# Altium PCB 控制板.PcbDoc (part 7 of 12)
Units mil, origin at the board's own origin, x right, y up, seen from the top; angles counter-clockwise.
Board outline 8150.4 x 2246.9 mil, 6 copper layers (TopLayer, MidLayer1, MidLayer2, MidLayer3, MidLayer4, BottomLayer); 1570 components, 853 nets, 4888 pads, 1859 vias.
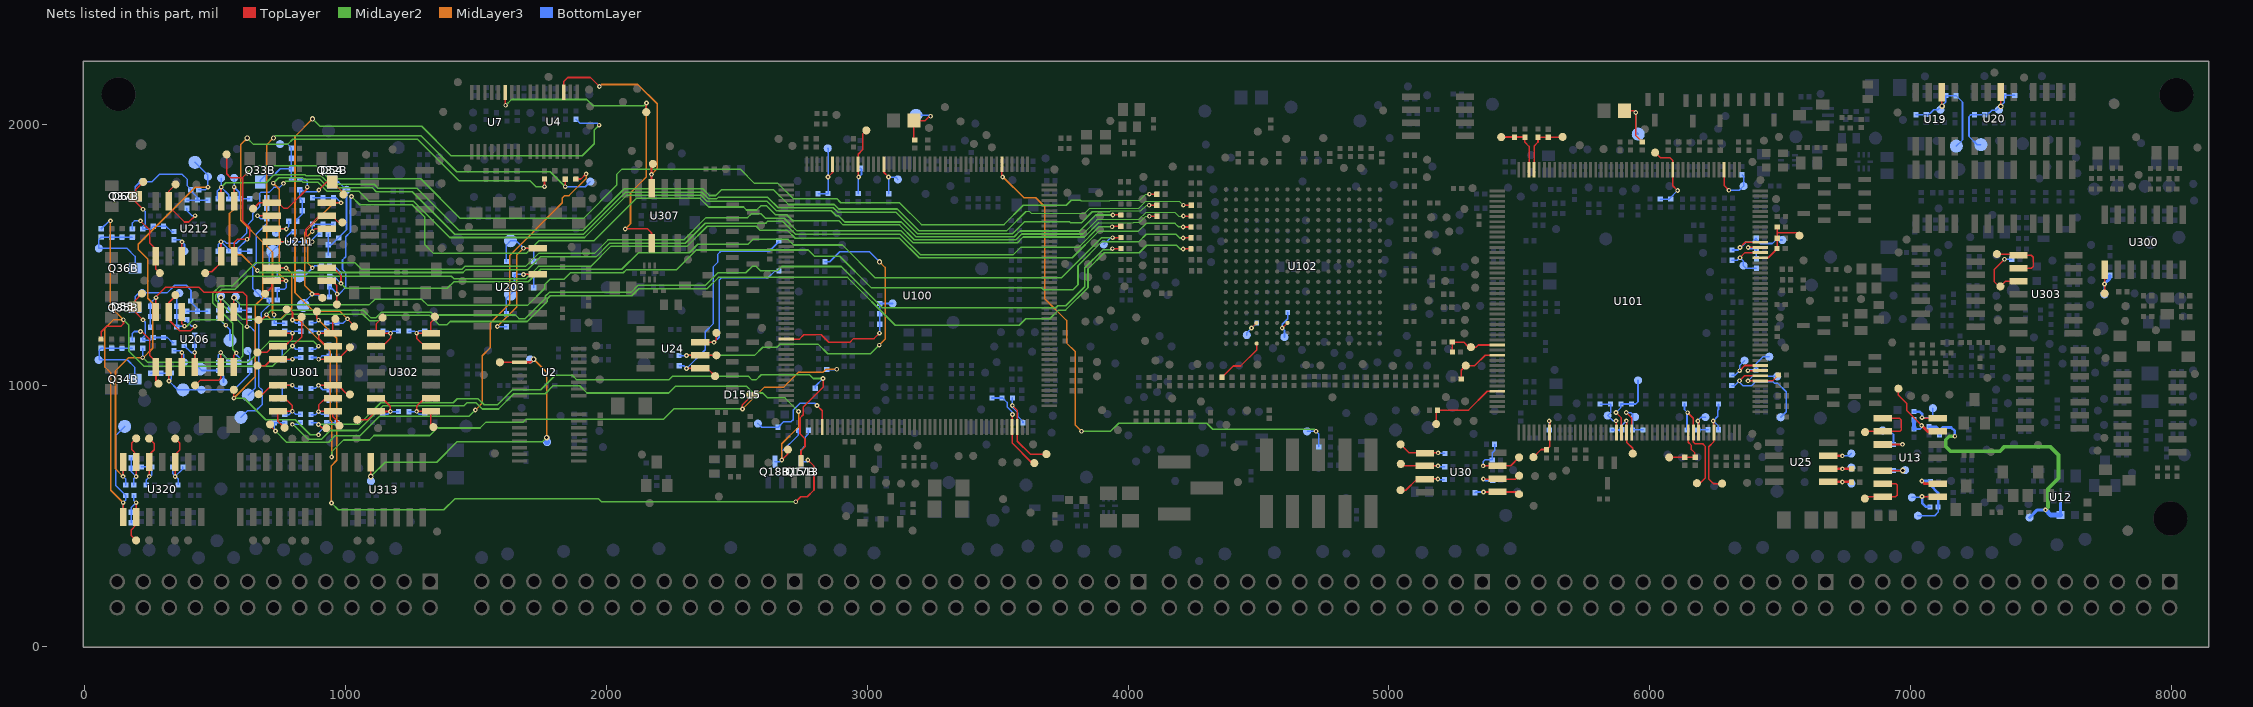
[diagram p11: the nets of this part, all layers, seen from the top]

## Via types
v1: diameter 18, hole 8, TopLayer to BottomLayer, tented both sides, 1737 vias
v2: diameter 20, hole 12, TopLayer to BottomLayer, tented both sides, 71 vias
v3: diameter 22, hole 12, TopLayer to BottomLayer, tented both sides, 51 vias

## Nets (pads, with @x,y where several pads share a name; then routed paths per layer and width w, separated by ;. In a path a pad name is that pad's centre, name@x,y a point inside that pad or via, vN(x,y) a via of type N, cw(c..) or ccw(c..) an arc to the next point about the centre after c; other vN are vias at no path point) (continued)
NetR710_1: C441.1 pad.23@196.9,406.3 R710.1 R711.1 U320.2 | length 275.4
  TopLayer w6: pad.23@196.9,406.3 179,424.2 179,447.5 196.9,465.4 v1(196.9,550.9)
  BottomLayer w6: R710.1@177.8,473.8 177.8,531.8 v1(196.9,550.9) 188.6,559.2 R711.1@188.6,578.4
NetR711_2: C441.2 pad.48@831.9,1263 R200.2 R711.2 R728.2 R804.2 TP1507.1 U320.1 | length 2766.4
  TopLayer w6: R200.2@62.8,1177.9 62.8,1206.7 83.6,1227.5 138.6,1227.5 148.6,1237.5 v1@148.6,1252.5 ; U320.1@146.9,496.3 146.9,550.4 v1(147.4,550.9) ; v1(796.5,1151.3) 796.9,1151.3 831.9,1186.3 pad.48@831.9,1263
  MidLayer2 w6: v1(148.2,1252.1) 168.6,1231.7 168.6,1132.5 227.7,1073.4 718.6,1073.4 v1(796.5,1151.3)
  MidLayer3 w6: v1(98.6,1631.3) 98.6,1301.7 v1(148.2,1252.1) 110.3,1252.1 77.4,1219.2 77.4,1070.8 99.4,1048.8 99.4,598.9 v1(147.4,550.9)
  BottomLayer w6: R804.2@63.6,1600.8 94.1,1631.3 v1(98.6,1631.3) ; C441.2@147,513.8 147,551.2 157.4,561.6 157.4,578.3 118.6,617.1 118.6,808.8 TP1507.1@153.2,843.4 ; v1(796.5,1151.3) 809.1,1138.7 R728.2@827.8,1138.7
NetR712_2: C445.1 pad.3@472.4,1800.9 R712.2 R727.2 R774.1 R794.1 TP1510.1 U320.14 | length 2446.6
  TopLayer w6: v1(146.9,651.7) U320.14@146.9,707.1
  MidLayer2 w6: v1(222.4,1107.1) 240.3,1089.2 628.2,1089.2 708.2,1169.2 878.2,1169.2 v1(896.5,1150.9)
  MidLayer3 w6: v1(146.9,651.7) 117.8,680.8 117.8,1056.3 168.6,1107.1 224.8,1107.1 260.7,1143 260.7,1315.4 241.9,1334.2 241.9,1485.1 205.3,1521.7 205.3,1541.7 424.1,1760.5 v1(472.8,1760.5)
  BottomLayer w6: C445.1@146.9,683 v1(146.9,651.7) 157,641.6 R712.2@157,618.4 ; v1(222.4,1107.1) R774.1@222.4,1143 ; TP1510.1@422.4,1855.9 472.4,1805.9 472.4,1760.1 463.2,1750.9 R794.1@437.4,1750.9 ; R727.2@867.8,1138.7 884.3,1138.7 v1(896.5,1150.9)
NetR714_2: C439.2 pad.18@346.9,796.7 R713.2 R714.2 U320.10 | length 287
  TopLayer w6: v1(346.5,651.3) 346.5,735 364.9,753.4 364.9,778.7 pad.18@346.9,796.7
  BottomLayer w6: R714.2@336.9,688 336.9,663.4 357.7,642.6 C439.2@357.7,618.8 ; v1(346.5,651.3) 376.5,681.3 R713.2@376.5,687.6
NetR715_2: C443.2 pad.17@246.9,796.7 R715.2 R716.2 U320.12 | length 278.9
  TopLayer w6: pad.17@246.9,796.7 266.1,777.5 266.1,754.2 247.4,735.5 v1(247.4,651.7)
  BottomLayer w6: R716.2@216.9,688 R715.2@256.9,688 256.9,658.3 236.2,637.6 C443.2@236.2,618.4
NetR717_2: C445.2 pad.16@197.4,797.5 R712.1 R717.2 U320.13 | length 276.2
  TopLayer w6: v1(196.9,651.3) 196.9,737.6 180.7,753.8 180.7,780.8 pad.16@197.4,797.5
  BottomLayer w6: R717.2@178.1,723.4 178.1,670.1 v1(196.9,651.3) 188.2,642.6 R712.1@188.2,618.4
NetR719_2: C425.1 pad.15@571.5,983.8 R180.2 R719.2 | length 2859.4
  TopLayer w6: v1(571.5,951.7) pad.15@571.5,983.8 ; v1(1762.8,1762.5) R180.2@1762.8,1791.8
  MidLayer2 w6: v1(571.5,951.7) 611.1,951.7 694.4,868.4 806.9,868.4 864.4,810.9 v1(896.1,810.9) ; v2(622.8,1948.4) 645.3,1925.9 779,1925.9 797.3,1944.2 1276.2,1944.2 1435.8,1784.6 1707.8,1784.6 1729.9,1762.5 v1(1762.8,1762.5)
  MidLayer3 w6: v1(571.5,951.7) 654,1034.2 654,1307.5 683.2,1336.7 683.2,1548.3 598.2,1633.3 598.2,1923.8 v2(622.8,1948.4)
  BottomLayer w6: v1(896.1,810.9) 896.1,817.6 936,857.5 C425.1@967.4,857.5
NetR720_2: D1513.3 pad.36@926.1,836.3 R552.2 R720.2 | length 2548.7
  TopLayer w6: v1(896.5,850.9) 911.1,836.3 pad.36@926.1,836.3 ; D1513.3@2746.15,709.5 2746.15,749.65 2761.5,765 2761.5,796.1 2742.4,815.2 2742.4,875.7 2754.6,887.9 2754.6,917.3 2830.7,993.4 v1(2830.7,1026.9)
  MidLayer2 w6: v1(896.5,850.9) 1051.5,850.9 1134.8,934.2 1412.8,934.2 1427.8,949.2 1508.2,949.2 1531.5,925.9 1582.4,925.9 1639.9,983.4 1748.6,983.4 1804.4,1039.2 1869,1039.2 1885.2,1023 2241.1,1023 2254.4,1036.3 2544,1036.3 2558.6,1021.7 2574,1021.7 2594,1041.7 2778.4,1041.7 2793.2,1026.9 v1(2830.7,1026.9)
  BottomLayer w6: R720.2@867.8,857.6 889.8,857.6 v1(896.5,850.9) ; R552.2@2801.1,990 2801.1,997.3 v1(2830.7,1026.9)
NetR721_2: pad.92@2696.1,754.6 Q18B.3 R549.1 R721.2 | length 2596.3
  TopLayer w6: v1(2672.4,714.6) 2696.1,738.3 pad.92@2696.1,754.6
  MidLayer2 w6: v1(796.1,851.3) 798.6,851.3 855.3,794.6 908.6,794.6 941.5,827.5 1048.6,827.5 1143.2,922.1 1454,922.1 1466.5,934.6 1499.1,934.6 1523.7,910 1586.5,910 1645.3,968.8 1765.2,968.8 1795.2,998.8 1897.7,998.8 1925.2,971.3 2239,971.3 2264.8,997.1 2537.4,997.1 2563.2,971.3 2599.9,971.3 2618.7,952.5 2684.9,952.5 v1(2736.9,900.5)
  MidLayer3 w6: v1(2672.4,714.6) 2672.4,776.7 2736.9,841.2 v1(2736.9,900.5)
  BottomLayer w6: v1(796.1,851.3) 820.3,851.3 R721.2@827.4,858.4 ; Q18B.3@2646.05,708.2 2666,708.2 v1(2672.4,714.6) 2672.4,746.7 2736.1,810.4 R549.1@2736.1,827.5
NetR722_2: C450.1 pad.32@710.7,851.3 R177.2 R722.2 | length 2081.3
  TopLayer w6: pad.32@710.7,851.3 710.7,846.3 v1(731.1,825.9) ; R177.2@1882.8,1791.8 1902.5,1791.8 v1(1922.4,1811.7)
  MidLayer2 w6: v1(731.1,825.9) 774,783 935.7,783 960.7,808 1056.2,808 1131.2,883 1474.5,883 v1(1497.4,905.9)
  MidLayer3 w6: v1@1497.8,906.3 1524.4,932.9 1524.4,1114.6 1555.3,1145.5 1555.3,1240.5 1630.3,1315.5 1630.3,1500 1830.7,1700.4 1830.7,1719.2 1839.9,1728.4 1856.9,1728.4 1922.4,1793.9 v1(1922.4,1811.7)
  BottomLayer w6: v1(731.1,825.9) 726.9,830.1 C450.1@726.9,857.5 727,857.6 R722.2@766.9,857.6
NetR723_1: C447.1 pad.41@1016.9,965.9 R718.2 R723.1 U301.10 | length 256.2
  TopLayer w6: v1(896.1,1000.9) 971.9,1000.9 1006.9,965.9 pad.41@1016.9,965.9
  BottomLayer w6: R723.1@867.8,988.8 884,988.8 v1(896.1,1000.9) 912.8,984.2 C447.1@936.9,984.2 938.6,982.5 R718.2@938.6,945
NetR724_1: C452.1 pad.43@666.5,966.7 R724.1 R725.2 U301.5 | length 269.5
  TopLayer w6: pad.43@666.5,966.7 681.5,966.7 716.1,1001.3 v1(796.1,1001.3)
  BottomLayer w6: R725.2@757.7,948.8 757.7,998.7 760.3,1001.3 v1(796.1,1001.3) 807.8,989.6 R724.1@827.4,989.6
NetR727_1: C448.1 pad.49@1016.9,1146.7 R726.1 R727.1 U301.12 | length 258.1
  TopLayer w6: v1(896.9,1100.9) 971.1,1100.9 pad.49@1016.9,1146.7
  BottomLayer w6: R727.1@867.8,1107.5 890.3,1107.5 v1(896.9,1100.9) 909.4,1113.4 C448.1@937.8,1113.4 936.9,1114.3 R726.1@936.9,1154.2
NetR728_1: C454.1 pad.44@661.9,1076.3 R728.1 R733.1 U301.3 | length 267.8
  TopLayer w6: pad.44@661.9,1076.3 692.4,1076.3 717.4,1101.3 v1(796.9,1101.3)
  BottomLayer w6: R733.1@757.8,1148.8 757.8,1099.6 795.2,1099.6 803.1,1107.5 R728.1@827.8,1107.5
NetR729_2: C449.2 pad.50@1032.8,1226.3 R628.1 R729.2 | length 2397.8
  TopLayer w6: v1(1007.4,1255.5) 1007.4,1255.4 1032.8,1230 pad.50@1032.8,1226.3
  MidLayer2 w6: v2(873.6,2022.5) 902.3,1993.8 1291.9,1993.8 1404.4,1881.3 1907.4,1881.3 1953.6,1927.5 1953.6,1979.6 v1(1972.4,1998.4)
  MidLayer3 w6: v2(873.6,2022.5) 806.1,1955 806.1,1355.8 877.3,1284.6 978.3,1284.6 v1(1007.4,1255.5)
  BottomLayer w6: R729.2@927.8,1239.6 991.5,1239.6 v1(1007.4,1255.5) ; R628.1@1883.6,2020.9 1898.2,2006.3 1964.5,2006.3 v1(1972.4,1998.4)
NetR730_2: pad.54@889.9,1284.2 Q17B.3 R548.1 R730.2 | length 2996.9
  TopLayer w6: pad.54@889.9,1284.2 889.9,1257.9 v1(896.9,1250.9) ; v1(2726.1,554.6) 2745.3,573.8 2770.5,573.8 2795.9,599.2 2795.9,691.1 v1(2772.4,714.6)
  MidLayer2 w6: v1(945.7,550) 972.3,523.4 1376.6,523.4 1419.5,566.3 1969.5,566.3 1981.2,554.6 v1(2726.1,554.6)
  MidLayer3 w6: v1(896.9,1250.9) 966.5,1181.3 966.5,713.4 945.7,692.6 v1(945.7,550)
  BottomLayer w6: R730.2@867.4,1240 886,1240 v1(896.9,1250.9) ; v1(2772.4,714.6) 2766,708.2 Q17B.3@2746.05,708.2 2746.05,753.25 2761.9,769.1 2761.9,801.7 2774.4,814.2 R548.1@2774.4,828.4
NetR731_2: D1515.3 pad.47@774.4,1292.1 R554.2 R731.2 | length 2893.2
  TopLayer w6: pad.47@774.4,1292.1 785.3,1292.1 796.5,1280.9 v1(796.5,1251.3) ; v1(2521.7,909.8) 2521.7,926.2 2560.55,965.05 D1515.3@2561.4,965.05
  MidLayer2 w6: v1(946.5,725.9) 946.5,745.4 992.4,791.3 1091.9,791.3 1109,808.4 1322.8,808.4 1351.5,837.1 1515.7,837.1 1538.6,860 1681.1,860 1691.6,870.5 2218.8,870.5 2259.2,910.9 v1@2521.1,910.9
  MidLayer3 w6: v1(796.5,1251.3) 821.9,1251.3 940.7,1132.5 940.7,869.2 946.5,863.4 v1(946.5,725.9) ; v1(2521.7,909.8) 2606.1,994.2 2679.8,994.2 2736.1,1050.5 2830.3,1050.5 2842.3,1062.5 v1(2883.2,1062.5)
  BottomLayer w6: v1(796.5,1251.3) 808.6,1239.2 R731.2@827.8,1239.2 ; R554.2@2845.2,1061.3 2882,1061.3 v1(2883.2,1062.5)
NetR732_2: C455.1 pad.25@1938.2,1782.1 R178.2 R732.2 | length 2108.8
  TopLayer w6: v1(1842.4,1762.5) R178.2@1842.4,1791.3
  MidLayer2 w6: v2(723.2,1948.8) 732.8,1958.4 1287.8,1958.4 1426.2,1820 1784.9,1820 v1(1842.4,1762.5)
  MidLayer3 w6: v2(723.2,1948.8) 698.6,1924.2 698.6,1532.9 719.9,1511.6 719.9,1277.5 v1(726.1,1271.3)
  BottomLayer w6: v1(726.1,1271.3) 726.1,1239.6 726.5,1239.2 R732.2@766.9,1239.2 ; v1(1842.4,1762.5) 1918.6,1762.5 pad.25@1938.2,1782.1
NetR734_1: pad.38@624.4,1132.5 R142.1 R734.1 R735.1 U206.14 | length 4306.3
  TopLayer w6: U206.14@571.9,1071.3 571.9,1116.3 v1(581.1,1125.5) ; v1(4081.7,1649) 4081.9,1648.8 R142.1@4110.7,1648.8
  MidLayer2 w4: 3886.8,1623.7 4019.8,1623.7 4022.8,1626.7 4045.2,1626.7 4067.5,1649 v1(4081.7,1649)
  MidLayer2 w6: v1(581.1,1125.5) 567.8,1138.8 567.8,1239.2 490.7,1316.3 490.7,1353.8 520.3,1383.4 567.4,1383.4 654,1470 1037,1470 1060.7,1446.3 1446.1,1446.3 1456.5,1456.7 1689.9,1456.7 1739.9,1506.7 1954.4,1506.7 2006.1,1558.4 2296.2,1558.4 2381.6,1643.8 2541.3,1643.8 2556.3,1658.8 2592.8,1658.8 2610.1,1641.5 2681.9,1641.5 2730.6,1592.8 3130.9,1592.8 3177,1546.7 3574.8,1546.7 3597.7,1569.6 3832.7,1569.6 3886.8,1623.7
  BottomLayer w6: v1(581.1,1125.5) 581.1,1118.4 591.9,1107.6 R735.1@591.9,1089.2 592.3,1089.6 R734.1@632.4,1089.6 632.4,1124.5 pad.38@624.4,1132.5
NetR737_1: pad.12@423.2,1000.9 R134.1 R736.1 R737.1 U206.13 | length 4644.2
  TopLayer w6: pad.12@423.2,1000.9 423.6,1000.9 443.6,1020.9 514.8,1020.9 521.5,1027.6 v1(521.5,1126.3) ; v1(4211.5,1608) 4211.7,1607.8 R134.1@4241.5,1607.8
  MidLayer2 w6: v1(521.5,1126.3) 545.7,1102.1 594.8,1102.1 605.3,1112.6 605.3,1232.1 527.8,1309.6 521.2,1309.6 502.4,1328.4 502.4,1347.2 524.8,1369.6 575.7,1369.6 625.3,1419.2 1405.2,1419.2 1414.4,1410 1692.8,1410 1739.5,1456.7 1939.8,1456.7 2017.7,1534.6 2310.6,1534.6 2386.5,1610.5 2574.4,1610.5 2590.3,1594.6 2694.1,1594.6 2723.7,1565 3123.7,1565 3199.1,1489.6 3786.2,1489.6 3888.9,1592.3 4040,1592.3 4069.4,1621.7 4180.5,1621.7 4194.2,1608 v1(4211.5,1608)
  BottomLayer w6: R737.1@512.4,1088.8 512.4,1117.2 v1(521.5,1126.3) 551.9,1095.9 R736.1@551.9,1089.6
NetR738_2: pad.55@966.9,1310.9 R133.1 R738.2 R739.2 U211.1 | length 4196.7
  TopLayer w6: U211.1@927.4,1401.3 948.6,1401.3 966.9,1383 pad.55@966.9,1310.9 ; v1(4211.9,1650) 4212.3,1649.6 R133.1@4240.9,1649.6
  MidLayer2 w4: 3880.95,1634.85 3883,1636.9 4041.5,1636.9 4069.6,1665 4179.5,1665 4194.5,1650 v1(4211.9,1650)
  MidLayer2 w6: v1(1022.8,1725) 1054.8,1693 1256.1,1693 1303.2,1645.9 1303.2,1540.5 1337,1506.7 1693.1,1506.7 1741.9,1555.5 1952.8,1555.5 2114.8,1717.5 2359.1,1717.5 2392,1684.6 2525.7,1684.6 2537.3,1673 2575.8,1673 2592.4,1689.6 2613.6,1689.6 2648.2,1655 2691.2,1655 2714.5,1631.7 2891.6,1631.7 2907.4,1615.9 3124,1615.9 3180.7,1559.2 3570.7,1559.2 3592.4,1580.9 3827,1580.9 3880.95,1634.85
  BottomLayer w6: R738.2@938.1,1339.6 938.1,1378.3 940.8,1378.3 v1(967.8,1351.3) 975.7,1351.3 999.9,1375.5 999.9,1433.8 988.2,1445.5 988.2,1481.3 1000.7,1493.8 1000.7,1570 1019,1588.3 1019,1721.2 v1(1022.8,1725)
NetR741_2: pad.108@3906.9,1540.9 R154.1 R740.2 R741.2 U211.2 | length 3494.6
  TopLayer w6: U211.2@927.4,1451.23 952.87,1451.23 982.4,1421.7 v1(982.4,1391.7) ; v1(3941.1,1567.1) 3941.3,1567.3 R154.1@3973.2,1567.3
  MidLayer2 w6: v1(982.4,1391.7) 1000.7,1373.4 1390.3,1373.4 1415.3,1398.4 1700.7,1398.4 1748.2,1445.9 2059,1445.9 2122.7,1509.6 2317.9,1509.6 2350,1541.7 2542.8,1541.7 2561.4,1560.3 2696.5,1560.3 2718,1538.8 2904.8,1538.8 3030.2,1413.4 3744.9,1413.4 3898.6,1567.1 v1(3941.1,1567.1)
  BottomLayer w6: R741.2@938.6,1459.6 955.3,1459.6 982.8,1432.1 982.8,1391.3 954.5,1419.6 R740.2@939,1419.6 ; pad.108@3906.9,1540.9 3933.1,1567.1 v1(3941.1,1567.1)
NetR743_2: C476.1 pad.8@1004,1750.5 Q32B.3 R742.2 R743.2 R746.2 | length 394.9
  BottomLayer w6: C476.1@933.2,1539.6 946.1,1539.6 1003.6,1597.1 1003.6,1750 973.1,1780.5 Q32B.3@949,1780.5 ; R746.2@933.6,1580 934,1579.6 R742.2@934,1499.6
NetR746_1: pad.61@987.4,1625.5 R746.1 U211.6 | length 277.3
  TopLayer w6: v1(872.4,1551.3) 848.2,1575.5 848.2,1600 900.3,1652.1 946.1,1652.1 972.7,1625.5 pad.61@987.4,1625.5
  BottomLayer w6: v1(872.4,1551.3) 872.4,1559.7 892.7,1580 R746.1@902.4,1580
NetR747_1: C478.2 R741.1 R744.2 R747.1 TP32.1 U211.5 | length 423.3
  TopLayer w6: v1(872.4,1590.5) 882.93,1601.03 U211.5@927.4,1601.03
  MidLayer3 w6: v1(872.4,1590.5) 854.4,1572.5 854.4,1469.7 v1(872.8,1451.3)
  BottomLayer w6: TP32.1@822.8,1420.5 843.2,1420.5 882.3,1459.6 R741.1@907.4,1459.6 ; v1(872.4,1590.5) 872.4,1618 R747.1@873.6,1619.2 953.1,1619.2 R744.2@953.2,1619.3
NetR748_2: C479.1 pad.56@911.5,1336.3 R738.1 R745.1 R748.2 TP33.1 U211.7 | length 749.8
  TopLayer w6: v1(871.5,1350.9) 896.9,1350.9 pad.56@911.5,1336.3 ; U211.7@927.4,1700.9 982.4,1700.9 v1(982.8,1700.5)
  MidLayer3 w6: v1(871.5,1350.9) 871.5,1355.9 842.8,1384.6 842.8,1587.2 956.1,1700.5 v1(982.8,1700.5)
  BottomLayer w6: TP33.1@837.4,1306.7 837.4,1315.1 871.1,1348.8 897.7,1348.8 R738.1@906.9,1339.6 ; R748.2@873.6,1720.4 962.9,1720.4 v1(982.8,1700.5)
NetR750_2: C480.2 R749.2 R750.2 R760.2 TP51.1 U211.11 | length 323.1
  TopLayer w6: U211.11@716.6,1551.1 771.3,1551.1 v1(771.9,1550.5)
  BottomLayer w6: R760.2@706.6,1448 706.6,1502.2 754.9,1550.5 800.8,1550.5 802.4,1552.1 R749.2@842.4,1552.1 ; v1(771.9,1550.5) 771.9,1568.3 793.6,1590 R750.2@802,1590
NetR751_2: pad.385 R751.2 U211.10 | length 136.1
  TopLayer w6: U211.10@716.6,1601.03 772.27,1601.03 v1(772.8,1600.5)
  BottomLayer w6: pad.385@732.8,1585.5 747.8,1600.5 v1(772.8,1600.5) 782.4,1610.1 R751.2@782.4,1630
NetR753_1: C481.1 D54.3 pad.63@991.9,1732.1 R751.1 R752.1 R753.1 | length 342.4
  TopLayer w6: v1(897.4,1750) 927,1779.6 950.3,1779.6 991.9,1738 pad.63@991.9,1732.1
  BottomLayer w6: R751.1@813.6,1630 813.6,1637.1 834,1657.5 834,1709.7 824,1719.7 R753.1@824,1750.5 832.8,1750.5 840.3,1743 890.4,1743 v1(897.4,1750)
NetR754_1: pad.64@645.3,1678 R754.1 U211.8 | length 317.5
  TopLayer w6: pad.64@645.3,1678 646.1,1678 668.6,1700.5 742.3,1700.5 762.3,1680.5 779,1680.5 853.2,1754.7 v1(853.2,1760.5)
  BottomLayer w6: R754.1@823.6,1790 846.5,1790 853.6,1782.9 853.6,1760.9 v1(853.2,1760.5)
NetR756_2: C482.2 pad.7@748.6,1925.9 Q33B.3 R754.2 R755.2 R756.2 | length 314.9
  BottomLayer w6: Q33B.3@672.3,1780 672.3,1784.9 695.4,1808 726.5,1808 749.4,1830.9 C482.2@792.4,1830.9 ; pad.7@748.6,1925.9 777.3,1925.9 792.4,1910.8 R754.2@792.4,1790
NetR757_1: pad.58@691.5,1351.7 R141.1 R757.1 R758.1 U211.14 | length 4284.1
  TopLayer w6: pad.58@691.5,1351.7 716.6,1376.8 U211.14@716.6,1401.3 v1(771.9,1401.3) ; v1(4081.1,1691.1) 4081.5,1691.5 R141.1@4110.5,1691.5
  MidLayer2 w4: 3929.4,1665.9 3933.1,1669.6 4049.4,1669.6 4070.9,1691.1 v1(4081.1,1691.1)
  MidLayer2 w6: v1(722.8,1775.9) 743.6,1796.7 834.8,1796.7 839.8,1791.7 900.7,1791.7 934,1758.4 1102.8,1758.4 1117.8,1743.4 1255.6,1743.4 1419,1580 1912.3,1580 2073.6,1741.3 2366.1,1741.3 2390.5,1716.9 2423.8,1716.9 2428.2,1721.3 2619,1721.3 2658.6,1681.7 2869.9,1681.7 2886.6,1665 3109.5,1665 3192.4,1582.1 3556.9,1582.1 3603.2,1628.4 3776,1628.4 3779.8,1624.6 3821.9,1624.6 3863.2,1665.9 3929.4,1665.9
  MidLayer3 w6: v1(722.8,1775.9) 746.1,1752.6 746.1,1427.1 v1(771.9,1401.3)
  BottomLayer w6: R757.1@738.2,1328 R758.1@738.2,1368.4 764.9,1368.4 771.9,1375.4 v1(771.9,1401.3)
NetR760_1: pad.46@666.5,1251.7 R155.1 R759.1 R760.1 U211.13 | length 4072.5
  TopLayer w6: pad.46@666.5,1251.7 676.9,1251.7 v1(696.9,1271.7) ; U211.13@716.6,1451.23 v1@772.07,1451.23 ; v1(3939.9,1525) R155.1@3973.2,1525
  MidLayer2 w6: v1(696.9,1271.7) 714,1288.8 1067.8,1288.8 1097.4,1259.2 1116.1,1259.2 1138.6,1281.7 1326.5,1281.7 1337.7,1270.5 1651.1,1270.5 1664.9,1256.7 1688.6,1256.7 1765.7,1333.8 1765.7,1342.1 1780.7,1357.1 2094,1357.1 2122.2,1385.3 2381,1385.3 2427.8,1432.1 2534.8,1432.1 2560.2,1457.5 2574,1457.5 2591,1440.5 2655.9,1440.5 2671.7,1456.3 2900.3,1456.3 3055.7,1300.9 3058,1298.6 3723.2,1298.6 3730.1,1305.5 3761.1,1305.5 3834.4,1378.8 3834.4,1451.4 3903.9,1520.9 3935.8,1520.9 v1(3939.9,1525)
  MidLayer3 w6: v1(696.9,1271.7) 714.4,1254.2 751.9,1254.2 793.6,1295.9 793.6,1429.7 v1(772.4,1450.9)
  BottomLayer w6: R759.1@738.2,1408.4 738.2,1447.6 741.5,1450.9 v1(772.4,1450.9)
NetR762_2: C483.2 pad.39@662.4,1354.4 R757.2 R761.2 R762.2 TP48.1 U211.9 | length 1070.4
  TopLayer w6: v1(662.4,1650.9) 662.47,1650.97 U211.9@716.6,1650.97
  BottomLayer w6: TP48.1@599,878 624,903 655.7,903 680.3,927.6 680.3,982.5 666.5,996.3 666.5,1238 676.1,1247.6 676.1,1277.9 707,1308.8 R757.2@707,1328 700.8,1334.2 681.9,1334.2 644,1372.1 644,1455.8 657.4,1469.2 657.4,1581 697.4,1621 R762.2@697.4,1720.5 ; v1(662.4,1650.9) 673.7,1639.6 C483.2@697.4,1639.6
NetR763_1: pad.40@579,1340.9 R135.1 R763.1 R764.1 U206.1 | length 4146.2
  TopLayer w6: U206.1@571.9,1282.1 v3(571.9,1336.7) ; v1(4211.3,1565.7) 4211.9,1566.3 R135.1@4240.9,1566.3
  MidLayer2 w6: v3(571.9,1336.7) 599.4,1309.2 1090.3,1309.2 1112.4,1331.3 1291.5,1331.3 1314.4,1308.4 1699,1308.4 1763.6,1373 1763.6,1387.1 1784.5,1408 1838.3,1408 1862.8,1432.5 2064.8,1432.5 2076.9,1444.6 2269.9,1444.6 2344.9,1519.6 2774.1,1519.6 2798.2,1495.5 2895.2,1495.5 3016.5,1374.2 3669.5,1374.2 3676.2,1367.5 3789,1367.5 3808.2,1386.7 3808.2,1459.6 3900.5,1551.9 4041.9,1551.9 4070,1580 4183.8,1580 4198.1,1565.7 v1(4211.3,1565.7)
  BottomLayer w6: pad.40@579,1340.9 579,1327.9 592.8,1314.1 592.8,1288.8 R763.1@631.9,1288.8
NetR766_1: pad.41@522.4,1343.8 R136.1 R765.1 R766.1 U206.2 | length 4297
  TopLayer w6: v3(521.9,1337.1) 521.97,1337.03 U206.2@521.97,1282.1 ; v1(4211.5,1523.6) 4212.1,1524.2 R136.1@4241.9,1524.2
  MidLayer2 w6: v3(521.9,1337.1) 605.6,1253.4 754,1253.4 774,1273.4 1066.1,1273.4 1091.5,1248 1126.6,1248 1147.4,1268.8 1322.8,1268.8 1358.6,1233 1389,1233 1401.5,1245.5 1696.6,1245.5 1773.2,1322.1 1773.2,1332.5 1784.9,1344.2 2097.7,1344.2 2124.4,1370.9 2385.8,1370.9 2429.5,1414.6 2924.5,1414.6 3107.8,1231.3 3583.2,1231.3 3607.8,1255.9 3699.7,1255.9 3733,1289.2 3760.3,1289.2 3846.5,1375.4 3846.5,1446.7 3908.6,1508.8 4042.8,1508.8 4072,1538 4185.8,1538 4200.2,1523.6 v1(4211.5,1523.6)
  BottomLayer w6: R766.1@512.4,1289.2 512.4,1327.6 v3(521.9,1337.1) 552.4,1306.6 R765.1@552.4,1288.8
NetR769_1: C457.2 pad.51@531.9,1013.4 R737.2 R768.1 R769.1 TP505.1 U206.11 | length 369.4
  TopLayer w6: v1(421.5,1126.7) 422.1,1126.1 U206.11@422.1,1071.3
  BottomLayer w6: R769.1@381.9,1153 408.2,1126.7 v1(421.5,1126.7) ; R768.1@421.5,1193.8 421.5,1084.3 448.2,1057.6 511.5,1057.6 531.9,1037.2 pad.51@531.9,1013.4
NetR770_1: pad.48@380.3,1088.8 R770.1 U206.10 | length 129.8
  TopLayer w6: U206.10@372.17,1071.3 372.17,1126.47 v1(372.4,1126.7)
  BottomLayer w6: R770.1@341.9,1133 366.1,1133 380.3,1118.8 pad.48@380.3,1088.8
NetR772_1: C459.1 pad.50@447.4,983.8 R734.2 R771.1 R772.1 TP49.1 U206.9 | length 531.3
  TopLayer w6: U206.9@322.23,1071.3 322.23,1017.67 v1(322.8,1017.1)
  BottomLayer w6: R772.1@252.4,1047.5 331.9,1047.5 331.9,1026.2 v1(322.8,1017.1) 356.5,983.4 572,983.4 632.4,1043.8 R734.2@632.4,1058.4
NetR774_2: C460.2 D55.3 pad.9@219.4,1352.1 R770.2 R773.2 R774.2 | length 340.9
  TopLayer w6: pad.9@219.4,1352.1 219,1352.1 193.2,1326.3 193.2,1281.7 v1(223.2,1251.7)
  BottomLayer w6: v1(223.2,1251.7) 231.9,1243 231.9,1193.3 222.4,1183.8 R774.2@222.4,1174.2 252.6,1174.2 262.6,1184.2 317,1184.2 337,1164.2 R770.2@341.9,1164.2
NetR775_2: pad.11@282.4,1007.1 R775.2 U206.8 | length 290.6
  TopLayer w6: v1(213.6,1207.1) 218.7,1207.1 248.6,1177.2 248.6,1115.8 273.2,1091.2 273.2,1016.3 pad.11@282.4,1007.1
  BottomLayer w6: R775.2@182.4,1174.6 182.4,1199.3 190.2,1207.1 v1(213.6,1207.1)
NetR777_1: C461.1 pad.47@53.2,1098.4 Q34B.3 R775.1 R776.1 R777.1 | length 363.2
  BottomLayer w6: R775.1@182.4,1143.4 63.2,1143.4 54.8,1135 54.8,1098.4 163.2,1098.4 192.4,1069.2 Q34B.3@192.4,1023.4
NetR778_1: C458.1 pad.46@219.9,1354.2 Q35B.3 R767.1 R778.1 R779.2 | length 454.2
  BottomLayer w6: Q35B.3@192.8,1298.8 192.8,1340.4 207.4,1355 315.6,1355 344.8,1384.2 388.7,1384.2 407.4,1365.5 407.4,1319.2 432.4,1294.2 C458.1@432.4,1284.6 ; R779.2@391.5,1284.6 R767.1@472.4,1284.6
NetR779_1: pad.8@347.4,1347.1 R779.1 U206.6 | length 276.3
  TopLayer w6: pad.8@347.4,1347.1 347.4,1342.2 322.23,1317.03 322.23,1251.87 363.6,1210.5 405.4,1210.5 v1(422.4,1227.5)
  BottomLayer w6: R779.1@391.5,1253.4 391.5,1245.5 409.5,1227.5 v1(422.4,1227.5)
NetR780_1: C462.1 pad.43@362.4,1354.2 R766.2 R780.1 R782.1 TP47.1 U206.5 | length 505.9
  TopLayer w6: U206.5@372.17,1282.1 372.17,1237.73 v1(382.4,1227.5)
  MidLayer2 w6: v1(382.4,1227.5) 390.7,1227.5 416.2,1253 519.8,1253 v1(541.1,1231.7)
  BottomLayer w6: pad.43@362.4,1354.2 352.4,1344.2 R780.1@352.4,1224.2 355.7,1227.5 v1(382.4,1227.5) ; R766.2@512.4,1258 556.9,1213.5 TP47.1@556.9,1173
NetR781_2: C463.2 R763.2 R781.2 R783.2 TP50.1 U206.7 | length 1005.6
  TopLayer w6: U206.7@272.3,1282.1 272.3,1339.6 309.4,1376.7 437.8,1376.7 457,1357.5 607,1357.5 621.9,1342.6 v1(621.9,1225.9)
  BottomLayer w6: R781.2@251.6,1223.4 251.6,1315.5 v1(273.2,1337.1) ; TP50.1@626.9,963.4 653.6,990.1 653.6,1206.3 634,1225.9 v1(621.9,1225.9) 621.9,1247.6 R763.2@631.9,1257.6
NetR784_1: pad.3@544,1885.9 R140.1 R784.1 R785.1 U212.14 | length 4453.4
  TopLayer w6: pad.3@544,1885.9 544,1811.7 558.2,1797.5 605.3,1797.5 ; U212.14@572.4,1495.5 572.4,1547.5 585.8,1560.9 623.2,1560.9 632.4,1570.1 632.4,1605.4 605.3,1632.5 605.3,1797.5 ; v1(622.8,1815) 605.3,1797.5 ; v1(4081.9,1733.6) 4082.3,1733.2 R140.1@4110.5,1733.2